# Altium PCB stencil V1.0.PcbDoc (part 4 of 5)
Units mm, origin at the board's own origin, x right, y up, seen from the top; angles counter-clockwise.
Board outline 220 x 90 mm, 2 copper layers (Top Layer, Bottom Layer); 265 components, 68 nets, 1316 pads, 556 vias.
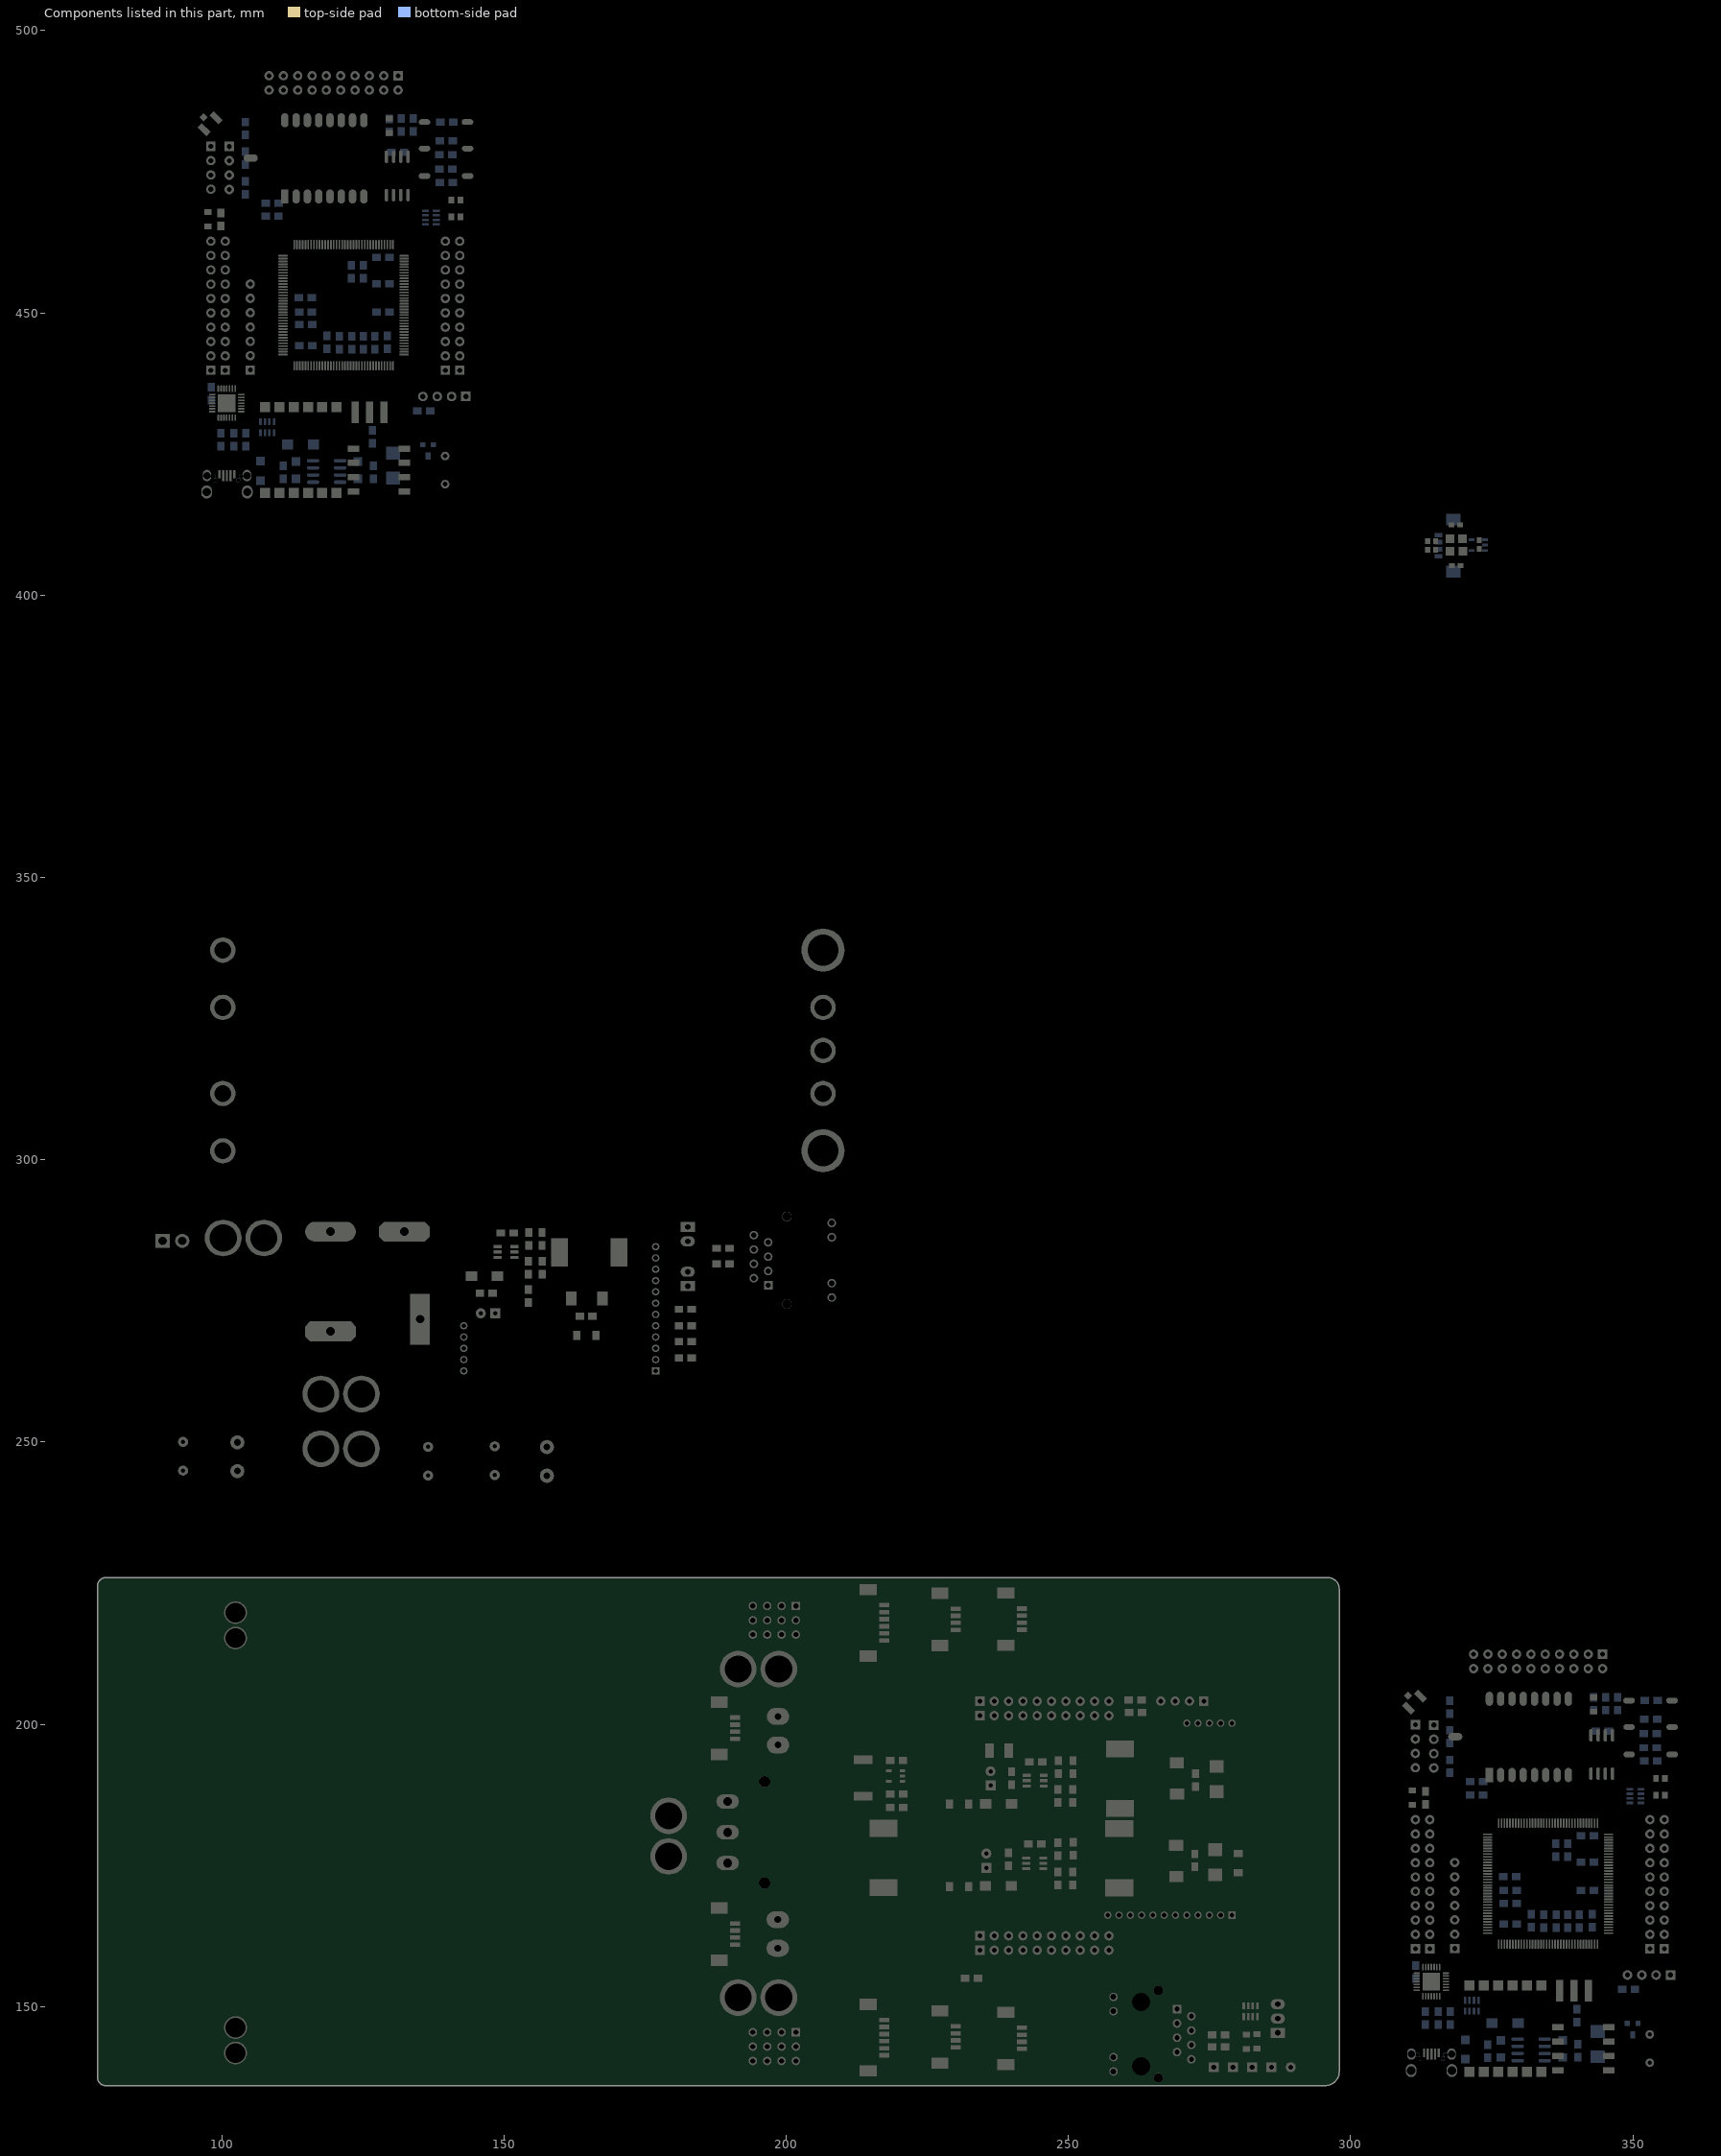
[diagram p4: the components of this part, seen from the top]

## Via types
v1: diameter 0.559, hole 0.305, Top Layer to Bottom Layer, 115 vias
v2: diameter 1.27, hole 0.711, Top Layer to Bottom Layer, 104 vias
v3: diameter 0.762, hole 0.406, Top Layer to Bottom Layer, 97 vias
v4: diameter 0.559, hole 0.356, Top Layer to Bottom Layer, 84 vias
v5: diameter 0.711, hole 0.406, Top Layer to Bottom Layer, 54 vias
v6: diameter 0.635, hole 0.406, Top Layer to Bottom Layer, 32 vias
v7: diameter 1.016, hole 0.559, Top Layer to Bottom Layer, 30 vias
v8: diameter 0.762, hole 0.381, Top Layer to Bottom Layer, 16 vias
v9: diameter 1.016, hole 0.635, Top Layer to Bottom Layer, 10 vias
v10: diameter 0.762, hole 0.457, Top Layer to Bottom Layer, 6 vias
v11: diameter 0.914, hole 0.559, Top Layer to Bottom Layer, 4 vias
v12: diameter 1.016, hole 0.457, Top Layer to Bottom Layer, 4 vias

## Nets (pads, with @x,y where several pads share a name; then routed paths per layer and width w, separated by ;. In a path a pad name is that pad's centre, name@x,y a point inside that pad or via, vN(x,y) a via of type N, cw(c..) or ccw(c..) an arc to the next point about the centre after c; other vN are vias at no path point) (continued)
copper on no net: (continued)
  Bottom Layer w0.254: v6(98.258,430.34) 98.258,430.315 103.744,435.801 v6(105.598,435.801) ; v6@98.296,429.413 99.985,431.102 100.061,431.102 103.896,434.938 v6(106.284,434.938) ; 98.652,434.57 100.899,436.817 v6(105.649,436.817) ; 99.838,429.228 99.838,428.684 101.012,429.858 101.712,429.858 v5@102.144,430.289 ; v5(100.282,424.683) 101.821,424.683 v5(101.864,424.727) v5@101.661,424.727 ; 101.381,471.871 102.271,470.981 102.271,468.694 102.906,468.059 102.906,466.362 107.427,461.841 107.427,455.461 107.732,455.156 v1(107.732,455.08) ; 101.381,474.411 102.703,473.089 102.703,468.873 103.338,468.238 103.338,466.541 107.859,462.02 107.859,456.147 108.087,455.918 v1(108.316,455.918) ; v4(104.43,466.561) 109.586,461.404 v4(109.815,461.404) ; v4@104.481,467.627 104.481,467.424 109.815,462.09 v4(110.551,462.09) ; v4(106.005,428.74) cw(c106.068,428.74) 106.068,428.803 106.876,428.803 ; v4(106.005,429.781) 105.927,429.781 106.868,430.723 106.876,430.723 ; v5(107.656,427.699) 107.656,428.782 107.676,428.803 ; v6(107.681,436.817) 120.813,436.817 123.556,434.074 130.363,434.074 130.363,433.091 ccw(c130.726,433.091) 130.726,432.728 134.638,432.728 ; 108.476,428.803 108.476,427.834 ccw(c108.891,427.834) 108.891,427.419 109.611,427.419 ccw(c109.611,427.8) 109.992,427.8 cw(c110.399,427.8) 110.399,428.207 112.456,428.207 ccw(c112.456,428.969) 113.218,428.969 113.218,431.051 cw(c113.675,431.051) 113.675,431.509 114.412,431.509 ccw(c114.412,432.474) v1(115.377,432.474) ; v1(108.595,458.788) v1(108.595,461.277) ; v1(109.256,464.046) 110.119,464.046 112.101,466.027 112.101,480.048 114.056,482.004 v1(114.056,486.728) ; 109.276,428.803 112.365,428.803 ccw(c112.365,429.122) 112.685,429.122 v1(112.685,432.448) ; v4(109.459,440.576) 118.1,440.576 ccw(c118.1,441.11) 118.634,441.11 118.634,443.688 ; v3(110.221,441.719) 110.221,444.386 113.752,447.917 ; v1(110.373,480.2) 110.704,480.531 110.704,489.233 110.942,489.472 ; v4(110.704,461.15) 110.5,461.15 109.332,459.982 v3(109.332,453.353) 109.332,450.838 109.992,450.178 113.726,450.178 ; v1(111.313,481.14) 111.313,486.677 v1(111.389,486.754) v1@111.44,486.804 ; v4(111.389,461.989) 111.389,453.81 112.532,452.667 113.695,452.667 ; v1(111.897,481.902) 112.202,482.207 112.202,490.742 113.482,492.022 ; v4(112.482,451.397) 116.038,451.397 ; v6(112.532,438.011) 113.523,438.011 114.006,438.494 118.755,438.494 120.076,439.814 132.979,439.814 137.628,444.463 137.628,445.783 139.323,447.479 139.639,447.479 ; v6(112.532,438.976) 118.627,438.976 119.948,440.297 132.725,440.297 136.916,444.488 136.916,445.91 138.263,447.257 138.263,448.374 138.694,448.806 140.981,448.806 142.189,450.014 ; v1(112.583,445.402) 112.583,445.41 113.764,444.229 ; v1(112.964,457.112) 112.532,457.544 112.532,479.616 v1@113.675,480.759 ; v1(113.396,457.798) 113.396,457.899 112.964,458.331 112.964,479.032 v1(113.802,479.87) ; v1(113.904,458.458) 113.828,458.458 113.396,458.89 113.396,478.321 114.742,479.667 114.742,490.742 116.022,492.022 ; v1(114.387,459.077) 114.387,459.093 113.828,459.652 113.828,477.813 v1(115.072,479.057) ; v1(114.539,474.257) 114.26,473.977 114.26,460.287 v1(114.844,459.703) ; v1(114.92,472.834) 114.691,472.606 114.691,461.049 v1(115.25,460.49) ; v1(116.774,464.529) 115.784,465.519 115.784,486.423 117.282,487.922 117.282,490.747 118.557,492.022 ; v1(117.155,460.414) 120,463.259 120,465.494 118.705,466.789 118.705,484.214 123.632,489.141 123.632,489.472 ; v1(117.562,459.753) 120.584,462.776 120.584,465.976 119.416,467.145 v1(119.416,474.231) ; v1(117.689,464.452) 117.689,464.833 116.673,465.849 116.673,485.204 v1(118.755,487.287) ; v1(117.993,459.093) 121.143,462.243 121.143,466.383 120.254,467.272 v1@120.254,476.365 ; v6(118.019,437.605) 119.898,437.605 v4(120.711,438.417) 121.676,439.383 123.302,439.383 124.008,438.676 v4(127.854,438.676) ; v1(118.527,458.458) 121.6,461.531 121.6,466.992 120.94,467.653 v1(120.94,475.73) ; v1(118.552,464.452) 118.552,464.91 117.435,466.027 117.435,484.696 119.797,487.058 119.797,490.721 121.097,492.022 ; v1(118.854,434.963) 121.676,434.963 122.692,433.947 v1@122.692,424.803 ; v1(118.984,457.772) 122.108,460.896 122.108,467.627 121.6,468.135 121.6,480.251 124.877,483.528 124.877,490.726 126.172,492.022 ; v1(119.416,464.452) 119.416,465.062 118.095,466.383 118.095,484.366 122.286,488.557 122.286,490.676 123.632,492.022 ; v1(119.568,457.137) 122.642,460.211 122.642,468.11 122.21,468.542 v1(122.21,474.943) ; v5(120.635,424.981) 120.635,425.565 121.803,426.733 121.803,429.426 120.991,430.239 v6(120.991,431.458) ; v5(121.626,425.514) 122.261,426.149 122.261,430.061 v5(121.854,430.467) ; v4(122.946,435.954) 124.216,434.684 133.284,434.684 135.596,436.995 ; v4(122.946,436.817) 124.623,435.141 132.878,435.141 137.596,439.859 139.639,439.859 ; v4(122.946,437.757) 125.105,435.598 132.548,435.598 138.136,441.186 140.976,441.186 142.189,442.399 ; v4(122.946,438.722) 125.613,436.055 132.268,436.055 138.612,442.399 139.639,442.399 ; v4(123.251,463.97) ccw(c123.251,463.995) 123.277,463.995 123.277,468.457 cw(c123.971,468.457) 123.971,469.151 v4(131.227,469.151) ; v1(123.378,426.53) 123.378,428.157 cw(c124.063,428.157) 124.063,428.842 126.406,428.842 ccw(c126.406,429.168) 126.733,429.168 cw(c126.609,429.168) 126.609,429.045 ; v1@124.216,466.84 129.931,461.125 v1(132.243,461.125) ; v1(124.242,479.057) 124.242,481.343 126.325,483.426 126.325,489.319 126.172,489.472 ; v4(124.854,442.149) 132.698,442.149 ccw(c132.698,443.066) 133.614,443.066 133.614,465.722 v1(133.64,465.748) ; v1(124.978,479.87) 124.978,480.785 127.391,483.198 127.391,490.691 128.722,492.022 ; v1@125.258,466.713 130.084,461.887 v1(132.7,461.887) ; v1(125.715,480.683) 125.994,480.683 128.128,482.817 128.128,488.878 128.722,489.472 ; v4(126.325,436.639) 132.065,436.639 139.101,443.675 140.925,443.675 142.189,444.939 ; v10@126.624,473.779 v10(126.68,473.723) 126.68,475.806 127.874,477 131.76,477 132.331,477.571 132.331,478.417 ; v4(126.731,466.383) 126.731,467.324 cw(c127.504,467.324) 127.504,468.097 136.114,468.097 ; v4(126.807,437.376) 132.04,437.376 139.602,444.939 139.639,444.939 ; v4(127.264,438.011) 131.963,438.011 138.186,444.234 138.186,445.58 138.796,446.19 140.9,446.19 142.189,447.479 ; v4@127.417,465.697 127.417,466.542 cw(c128.172,466.542) 128.172,467.297 136.114,467.297 ; v4(128.23,465.087) 128.23,466.103 cw(c128.623,466.103) 128.623,466.497 131.698,466.497 131.711,466.51 136.101,466.51 136.114,466.497 ; 129.394,445.949 130.15,445.949 cw(c130.15,445.406) 130.693,445.406 v4(130.693,443.447) ; v5(129.627,475.4) cw(c130.73,474.296) 130.73,475.857 131.481,475.857 ccw(c131.481,477.329) 132.521,476.288 v5(132.954,476.721) ; v1(133.665,468.796) 133.64,468.821 133.64,478.626 cw(c134.097,478.626) v4(134.097,479.083) ; v4(134.3,450) 134.326,449.974 v4(134.326,443.574) ; 135.596,437.02 136.993,438.417 140.747,438.417 142.189,439.859 ; 136.114,465.697 137.958,463.853 137.958,455.791 v4(136.459,454.292) ; 141.006,483.833 142.911,483.833 144.003,482.74 v6(144.003,470.625) v6@144.003,470.548 ; v6(311.658,150.74) 311.658,150.715 317.144,156.201 v6(318.998,156.201) ; v6@311.696,149.813 313.385,151.502 313.461,151.502 317.296,155.338 v6(319.684,155.338) ; 312.052,154.97 314.299,157.217 v6(319.049,157.217) ; 313.238,149.628 313.238,149.084 314.412,150.258 315.112,150.258 v5@315.544,150.689 ; v5(313.682,145.083) 315.221,145.083 v5(315.264,145.127) v5@315.061,145.127 ; v1(314.37,409.817) 314.37,407.345 314.814,406.901 315.576,406.901 315.576,406.647 316.685,405.538 319.604,405.538 319.638,405.504 321.164,405.504 322.815,407.155 322.815,408.552 323.13,408.867 323.831,408.867 ; 314.781,192.271 315.671,191.381 315.671,189.094 316.306,188.459 316.306,186.762 320.827,182.241 320.827,175.861 321.132,175.556 v1(321.132,175.48) ; 314.781,194.811 316.103,193.489 316.103,189.273 316.738,188.638 316.738,186.941 321.259,182.42 321.259,176.547 321.487,176.318 v1(321.716,176.318) ; 315.576,408.151 318.096,408.151 319.577,409.631 v1@320.847,410.901 ; 315.576,409.401 315.79,409.187 v1(316.338,409.187) ; v4(317.83,186.961) 322.986,181.804 v4(323.215,181.804) ; v4@317.881,188.027 317.881,187.824 323.215,182.49 v4(323.951,182.49) ; v4(319.405,149.14) cw(c319.468,149.14) 319.468,149.203 320.276,149.203 ; v4(319.405,150.181) 319.327,150.181 320.268,151.123 320.276,151.123 ; v5(321.056,148.099) 321.056,149.182 321.076,149.203 ; v6(321.081,157.217) 334.213,157.217 336.956,154.474 343.763,154.474 343.763,153.491 ccw(c344.126,153.491) 344.126,153.128 348.038,153.128 ; 321.431,407.917 322.561,409.047 v1(322.561,411.092) ; 321.876,149.203 321.876,148.234 ccw(c322.291,148.234) 322.291,147.819 323.011,147.819 ccw(c323.011,148.2) 323.392,148.2 cw(c323.799,148.2) 323.799,148.607 325.856,148.607 ccw(c325.856,149.369) 326.618,149.369 326.618,151.451 cw(c327.075,151.451) 327.075,151.909 327.812,151.909 ccw(c327.812,152.874) v1(328.777,152.874) ; v1(321.995,179.188) v1(321.995,181.677) ; v1(322.656,184.446) 323.519,184.446 325.501,186.427 325.501,200.448 327.456,202.404 v1(327.456,207.128) ; 322.676,149.203 325.765,149.203 ccw(c325.765,149.522) 326.085,149.522 v1(326.085,152.848) ; v4(322.859,160.976) 331.5,160.976 ccw(c331.5,161.51) 332.034,161.51 332.034,164.088 ; v3(323.621,162.119) 323.621,164.786 327.152,168.317 ; v1(323.773,200.6) 324.104,200.931 324.104,209.633 324.342,209.872 ; v4(324.104,181.55) 323.9,181.55 322.732,180.382 v3(322.732,173.753) 322.732,171.238 323.392,170.578 327.126,170.578 ; v1(324.713,201.54) 324.713,207.077 v1(324.789,207.154) v1@324.84,207.204 ; v4(324.789,182.389) 324.789,174.21 325.932,173.067 327.095,173.067 ; v1(325.297,202.302) 325.602,202.607 325.602,211.142 326.882,212.422 ; v4(325.882,171.797) 329.438,171.797 ; v6(325.932,158.411) 326.923,158.411 327.406,158.894 332.155,158.894 333.476,160.214 346.379,160.214 351.028,164.863 351.028,166.183 352.723,167.879 353.039,167.879 ; v6(325.932,159.376) 332.027,159.376 333.348,160.697 346.125,160.697 350.316,164.888 350.316,166.31 351.663,167.657 351.663,168.774 352.094,169.206 354.381,169.206 355.589,170.414 ; v1(325.983,165.802) 325.983,165.81 327.164,164.629 ; v1(326.364,177.512) 325.932,177.944 325.932,200.016 v1@327.075,201.159 ; v1(326.796,178.198) 326.796,178.299 326.364,178.731 326.364,199.432 v1(327.202,200.27) ; v1(327.304,178.858) 327.228,178.858 326.796,179.29 326.796,198.721 328.142,200.067 328.142,211.142 329.422,212.422 ; v1(327.787,179.477) 327.787,179.493 327.228,180.052 327.228,198.213 v1(328.472,199.457) ; v1(327.939,194.657) 327.66,194.377 327.66,180.687 v1(328.244,180.103) ; v1(328.32,193.234) 328.091,193.006 328.091,181.449 v1(328.65,180.89) ; v1(330.174,184.929) 329.184,185.919 329.184,206.823 330.682,208.322 330.682,211.147 331.957,212.422 ; v1(330.555,180.814) 333.4,183.659 333.4,185.894 332.105,187.189 332.105,204.614 337.032,209.541 337.032,209.872 ; v1(330.962,180.153) 333.984,183.176 333.984,186.376 332.816,187.545 v1(332.816,194.631) ; v1(331.089,184.852) 331.089,185.233 330.073,186.249 330.073,205.604 v1(332.155,207.687) ; v1(331.393,179.493) 334.543,182.643 334.543,186.783 333.654,187.672 v1@333.654,196.765 ; v6(331.419,158.005) 333.298,158.005 v4(334.111,158.817) 335.076,159.783 336.702,159.783 337.408,159.076 v4(341.254,159.076) ; v1(331.927,178.858) 335,181.931 335,187.392 334.34,188.053 v1(334.34,196.13) ; v1(331.952,184.852) 331.952,185.31 330.835,186.427 330.835,205.096 333.197,207.458 333.197,211.121 334.497,212.422 ; v1(332.254,155.363) 335.076,155.363 336.092,154.347 v1@336.092,145.203 ; v1(332.384,178.172) 335.508,181.296 335.508,188.027 335,188.535 335,200.651 338.277,203.928 338.277,211.126 339.572,212.422 ; v1(332.816,184.852) 332.816,185.462 331.495,186.783 331.495,204.766 335.686,208.957 335.686,211.076 337.032,212.422 ; v1(332.968,177.537) 336.042,180.611 336.042,188.51 335.61,188.942 v1(335.61,195.343) ; v5(334.035,145.381) 334.035,145.965 335.203,147.133 335.203,149.826 334.391,150.639 v6(334.391,151.858) ; v5(335.026,145.914) 335.661,146.549 335.661,150.461 v5(335.254,150.867) ; v4(336.346,156.354) 337.616,155.084 346.684,155.084 348.996,157.395 ; v4(336.346,157.217) 338.023,155.541 346.278,155.541 350.996,160.259 353.039,160.259 ; v4(336.346,158.157) 338.505,155.998 345.948,155.998 351.536,161.586 354.376,161.586 355.589,162.799 ; v4(336.346,159.122) 339.013,156.455 345.668,156.455 352.012,162.799 353.039,162.799 ; v4(336.651,184.37) ccw(c336.651,184.395) 336.677,184.395 336.677,188.857 cw(c337.371,188.857) 337.371,189.551 v4(344.627,189.551) ; v1(336.778,146.93) 336.778,148.557 cw(c337.463,148.557) 337.463,149.242 339.806,149.242 ccw(c339.806,149.568) 340.133,149.568 cw(c340.009,149.568) 340.009,149.445 ; v1@337.616,187.24 343.331,181.525 v1(345.643,181.525) ; v1(337.642,199.457) 337.642,201.743 339.725,203.826 339.725,209.719 339.572,209.872 ; v4(338.254,162.549) 346.098,162.549 ccw(c346.098,163.466) 347.014,163.466 347.014,186.122 v1(347.04,186.148) ; v1(338.378,200.27) 338.378,201.185 340.791,203.598 340.791,211.091 342.122,212.422 ; v1@338.658,187.113 343.484,182.287 v1(346.1,182.287) ; v1(339.115,201.083) 339.394,201.083 341.528,203.217 341.528,209.278 342.122,209.872 ; v4(339.725,157.039) 345.465,157.039 352.501,164.075 354.325,164.075 355.589,165.339 ; v10@340.024,194.179 v10(340.08,194.123) 340.08,196.206 341.274,197.4 345.16,197.4 345.731,197.971 345.731,198.817 ; v4(340.131,186.783) 340.131,187.724 cw(c340.904,187.724) 340.904,188.497 349.514,188.497 ; v4(340.207,157.776) 345.44,157.776 353.002,165.339 353.039,165.339 ; v4(340.664,158.411) 345.363,158.411 351.586,164.634 351.586,165.98 352.196,166.59 354.3,166.59 355.589,167.879 ; v4@340.817,186.097 340.817,186.942 cw(c341.572,186.942) 341.572,187.697 349.514,187.697 ; v4(341.63,185.487) 341.63,186.503 cw(c342.023,186.503) 342.023,186.897 345.098,186.897 345.111,186.91 349.501,186.91 349.514,186.897 ; 342.794,166.349 343.55,166.349 cw(c343.55,165.806) 344.093,165.806 v4(344.093,163.847) ; v5(343.027,195.8) cw(c344.13,194.696) 344.13,196.257 344.881,196.257 ccw(c344.881,197.729) 345.921,196.688 v5(346.354,197.121) ; v1(347.065,189.196) 347.04,189.221 347.04,199.026 cw(c347.497,199.026) v4(347.497,199.483) ; v4(347.7,170.4) 347.726,170.374 v4(347.726,163.974) ; 348.996,157.42 350.393,158.817 354.147,158.817 355.589,160.259 ; 349.514,186.097 351.358,184.253 351.358,176.191 v4(349.859,174.692) ; 354.406,204.233 356.311,204.233 357.403,203.14 v6(357.403,191.025) v6@357.403,190.948
  Bottom Layer w0.381: 102.982,454.978 103.124,455.121 ; 104.277,428.715 ccw(c104.277,428.892) 104.455,428.892 104.455,431.94 cw(c104.938,431.94) 104.938,432.423 107.285,432.423 cw(c107.285,432.032) 107.676,432.032 107.676,430.723 ; 108.402,492.022 108.687,492.022 109.662,491.046 v3(109.662,486.169) ; 108.476,430.723 109.664,430.723 ccw(c109.664,431.229) 110.17,431.229 v5(110.17,432.601) ; 138.034,466.497 v5(139.291,466.497) ; 138.034,467.297 141.717,467.297 ccw(c141.717,467.881) v5(142.301,467.881) ; 138.034,468.097 140.993,468.097 ccw(c140.993,468.77) 141.666,468.77 v5(141.692,468.77) ; 316.382,175.378 316.524,175.521 ; 317.677,149.115 ccw(c317.677,149.292) 317.855,149.292 317.855,152.34 cw(c318.338,152.34) 318.338,152.823 320.685,152.823 cw(c320.685,152.432) 321.076,152.432 321.076,151.123 ; 321.802,212.422 322.087,212.422 323.062,211.446 v3(323.062,206.569) ; 321.876,151.123 323.064,151.123 ccw(c323.064,151.629) 323.57,151.629 v5(323.57,153.001) ; 351.434,186.897 v5(352.691,186.897) ; 351.434,187.697 355.117,187.697 ccw(c355.117,188.281) v5(355.701,188.281) ; 351.434,188.497 354.393,188.497 ccw(c354.393,189.17) 355.066,189.17 v5(355.092,189.17)
  Bottom Layer w0.508: 98.088,471.91 98.172,471.91 99.68,473.419 99.68,476.111 100.52,476.951 101.381,476.951 ; 98.09,439.859 98.09,436.916 98.151,436.856 ; 103.124,455.121 105.065,455.121 ; v3@104.176,471.006 ccw(c104.227,471.006) 104.227,470.955 105.725,470.955 ccw(c105.725,471.336) 106.106,471.336 106.106,483.248 ccw(c105.547,483.248) 105.547,483.807 104.201,483.807 ; 104.277,428.715 104.582,428.715 v7(107.605,425.692) ; 106.843,485.407 106.843,479.591 ccw(c107.732,479.591) 107.732,478.702 109.964,478.702 ; 110.069,467.119 110.069,478.597 109.964,478.702 ; 110.879,422.884 108.926,420.93 108.926,417.918 ccw(c109.459,417.918) 109.459,417.385 v11(141.725,417.386) ; v6@112.177,454.673 114.539,454.673 115.981,453.232 115.981,452.667 ; 112.948,423.654 112.948,424.092 ; v9(113.193,483.274) 113.193,481.93 109.964,478.702 ; 113.726,450.178 cw(c113.726,450.152) 113.752,450.152 113.752,449.822 ; 116.05,444.229 116.05,443.561 v4(116.977,442.634) ; 118.634,445.974 120.864,443.744 120.864,443.595 123.064,443.595 ; 122.946,458.534 124.724,458.534 ; v10(128.103,478.676) 129.786,478.676 130.045,478.417 ; 129.723,455.154 129.728,455.148 ; 133.945,484.417 cw(c133.97,484.417) 133.97,484.442 135.062,484.442 ccw(c135.062,484.798) 135.418,484.798 ; v6(135.19,476.721) ccw(c135.19,476.949) 135.418,476.949 135.418,482.207 ; v4(135.418,485.611) 135.418,484.798 ; 135.633,426.661 135.633,427.774 cw(c136.955,427.774) 136.955,429.096 143.292,429.096 ccw(c143.292,430.409) 144.605,430.409 144.605,464.681 ccw(c143.589,464.681) 143.589,465.697 138.034,465.697 ; 137.538,426.661 v9@139.609,426.661 ; 140.918,480.478 140.918,480.836 ; 140.967,480.429 ccw(c139.265,480.429) 140.918,480.836 ; 311.488,192.31 311.572,192.31 313.08,193.819 313.08,196.511 313.92,197.351 314.781,197.351 ; 311.49,160.259 311.49,157.316 311.551,157.256 ; v1(313.036,408.044) 313.036,409.441 313.633,410.038 313.633,410.122 314.162,410.651 315.576,410.651 316.779,411.854 322.942,411.854 323.831,410.965 323.831,409.817 ; 316.524,175.521 318.465,175.521 ; v3@317.576,191.406 ccw(c317.627,191.406) 317.627,191.355 319.125,191.355 ccw(c319.125,191.736) 319.506,191.736 319.506,203.648 ccw(c318.947,203.648) 318.947,204.207 317.601,204.207 ; v1(317.608,406.393) 318.007,406.393 321.431,409.817 ; 317.677,149.115 317.982,149.115 v7(321.005,146.092) ; 320.243,205.807 320.243,199.991 ccw(c321.132,199.991) 321.132,199.102 323.364,199.102 ; 323.469,187.519 323.469,198.997 323.364,199.102 ; v1(323.856,407.282) 323.856,407.917 ; 324.279,143.284 322.326,141.33 322.326,138.318 ccw(c322.859,138.318) 322.859,137.785 v11@355.125,137.785 ; v6@325.577,175.073 327.939,175.073 329.381,173.632 329.381,173.067 ; 326.348,144.054 326.348,144.492 ; v9(326.593,203.674) 326.593,202.33 323.364,199.102 ; 327.126,170.578 cw(c327.126,170.552) 327.152,170.552 327.152,170.222 ; 329.45,164.629 329.45,163.961 v4(330.377,163.034) ; 332.034,166.374 334.264,164.144 334.264,163.995 336.464,163.995 ; 336.346,178.934 338.124,178.934 ; v10(341.503,199.076) 343.186,199.076 343.445,198.817 ; 343.123,175.554 343.128,175.548 ; 347.345,204.817 cw(c347.37,204.817) 347.37,204.842 348.462,204.842 ccw(c348.462,205.198) 348.818,205.198 ; v6(348.59,197.121) ccw(c348.59,197.349) 348.818,197.349 348.818,202.607 ; v4(348.818,206.011) 348.818,205.198 ; 349.033,147.061 349.033,148.174 cw(c350.355,148.174) 350.355,149.496 356.692,149.496 ccw(c356.692,150.809) 358.005,150.809 358.005,185.081 ccw(c356.989,185.081) 356.989,186.097 351.434,186.097 ; 350.938,147.061 v9@353.009,147.061 ; 354.318,200.878 354.318,201.236 ; 354.367,200.829 ccw(c352.665,200.829) 354.318,201.236 ; 135.418,482.207 cw(c135.469,482.207) 135.469,482.258 140.015,482.258 cw(c140.015,481.355) 140.918,481.355 140.918,480.836 ; 135.418,482.207 135.418,484.798 ; 348.818,202.607 cw(c348.869,202.607) 348.869,202.658 353.415,202.658 cw(c353.415,201.755) 354.318,201.755 354.318,201.236 ; 348.818,202.607 348.818,205.198
  Bottom Layer w0.635: v7(101.966,464.656) 102.982,463.64 102.982,454.978 102.982,441.973 ; v7(315.366,185.056) 316.382,184.04 316.382,175.378 316.382,162.373
  Bottom Layer w0.762: v7(97.546,426.429) 104.277,426.429 ; 98.088,471.91 98.088,468.567 ccw(c99.155,468.567) 98.271,467.97 ccw(c99.155,468.567) 98.557,467.683 ccw(c99.155,468.567) 99.155,467.5 v7(101.966,467.5) ; 98.09,444.939 96.892,444.939 cw(c96.892,445.758) 96.073,445.758 96.073,466.256 ; 100.64,444.939 100.64,442.399 102.557,442.399 102.982,441.973 105.065,439.891 105.097,439.859 105.112,439.859 105.142,439.889 ; 101.381,479.491 101.341,479.53 98.088,479.53 96.534,479.53 96.382,479.377 ccw(c96.81,478.778) 96.073,478.778 ; 102.432,428.684 104.247,428.684 ccw(c104.247,428.715) 104.277,428.715 ; v9(102.626,483.706) 104.1,483.706 ccw(c104.1,483.807) 104.201,483.807 ; v3(102.906,481.572) 104.079,481.572 cw(c104.079,481.399) 104.201,481.521 104.201,478.561 ; 104.176,473.292 104.176,476.214 cw(c104.263,476.214) 104.201,476.275 ; 105.065,442.431 ccw(c105.116,442.431) 105.116,442.38 106.741,442.38 ; v5(110.17,432.601) 110.17,435.369 ; 113.752,449.822 113.752,447.917 ; 115.961,447.993 ccw(c116.038,447.993) 116.038,447.917 116.038,450.178 ; 116.012,450.178 116.038,450.178 ; 116.038,452.26 116.038,451.397 116.038,450.178 ; 117.334,418.656 ccw(c117.334,420.306) 118.984,420.306 118.984,421.109 ; 119.173,421.298 ccw(c119.173,421.109) 118.984,421.109 ; 120.864,445.881 123.064,445.881 125.114,445.881 127.164,445.881 127.437,446.154 127.437,450.152 ; 121.003,423.838 ccw(c121.359,423.838) 121.359,423.482 124.318,423.482 ; v3(121.575,448.806) cw(c120.737,448.806) 120.737,447.968 119.416,447.968 ccw(c119.416,447.186) 118.634,447.186 118.634,445.974 114.476,445.974 cw(c114.476,446.698) 113.752,446.698 113.752,447.917 ; v3@121.6,451.422 cw(c121.6,451.448) v3(121.575,451.448) 121.575,457.591 cw(c122.442,457.591) 122.442,458.458 124.648,458.458 124.724,458.534 ; 122.946,456.172 125.08,456.172 126.418,456.172 127.437,455.154 127.437,450.152 ; 125.08,458.458 128.407,458.458 cw(c128.407,457.471) 129.394,457.471 129.394,445.949 ; 125.114,443.595 127.164,443.595 129.326,443.595 129.394,443.663 ; v3(126.045,459.88) 127.442,459.88 ; v5(128.484,475.949) 128.484,474.104 ccw(c129.271,474.104) 128.534,473.827 ccw(c129.271,474.104) 129.271,473.317 131.1,473.317 cw(c131.1,472.682) 131.735,472.682 v5@131.735,471.971 ; v10(129.246,486.017) 129.708,485.555 129.708,484.378 ; 129.403,482.27 129.83,481.844 129.779,481.793 v5(129.779,480.073) ; 129.708,482.092 133.906,482.092 ccw(c133.906,482.131) 133.945,482.131 ; v9(130.49,486.627) 131.862,486.627 131.938,486.703 ccw(c131.938,487.77) 133.005,487.77 133.005,491.961 ; 131.262,492.022 132.944,492.022 133.005,491.961 ; 131.811,484.417 133.945,484.417 ; 136.598,424.629 139.569,424.629 ccw(c139.569,424.669) 139.609,424.669 ; 138.563,475.459 138.632,475.391 138.632,473.102 ; 138.563,477.994 138.563,480.41 138.632,480.478 ; 140.849,475.459 140.849,477.994 ; 140.918,473.102 142.072,474.257 v5(142.936,474.257) ; 140.967,480.429 v5(141.971,480.429) ; 176.906,262.608 180.098,265.8 180.098,280.155 ; 176.906,268.608 175.746,268.608 cw(c175.746,269.335) 175.018,269.335 175.018,286.183 cw(c176.928,286.183) 176.928,288.093 182.583,288.093 ; 176.906,284.608 180.098,281.415 180.098,280.155 ; 182.583,277.628 182.583,274.572 186.753,270.402 v2(186.753,267.709) ; 182.583,285.553 ccw(c183.434,285.553) 183.434,284.702 187.952,284.702 cw(c187.952,283.285) 189.369,283.285 189.369,274.691 cw(c188.209,274.691) 188.209,273.531 v2(186.784,273.531) ; v2(187.591,282.924) 187.591,281.33 cw(c186.43,281.33) 186.43,280.168 182.583,280.168 180.111,280.168 180.098,280.155 ; v2(187.667,285.972) cw(c188.345,285.972) 188.345,286.65 194.295,286.65 ; 200.137,274.46 200.137,282.111 ; 200.137,289.96 200.137,282.111 ; 208.085,286.274 203.923,282.111 200.137,282.111 ; v7(310.946,146.829) 317.677,146.829 ; 311.488,192.31 311.488,188.967 ccw(c312.555,188.967) 311.671,188.37 ccw(c312.555,188.967) 311.957,188.083 ccw(c312.555,188.967) 312.555,187.9 v7(315.366,187.9) ; 311.49,165.339 310.292,165.339 cw(c310.292,166.158) 309.473,166.158 309.473,186.656 ; 314.04,165.339 314.04,162.799 315.957,162.799 316.382,162.373 318.465,160.291 318.497,160.259 318.512,160.259 318.542,160.289 ; 314.781,199.891 314.741,199.93 311.488,199.93 309.934,199.93 309.782,199.777 ccw(c310.21,199.178) 309.473,199.178 ; 315.832,149.084 317.647,149.084 ccw(c317.647,149.115) 317.677,149.115 ; v9(316.026,204.106) 317.5,204.106 ccw(c317.5,204.207) 317.601,204.207 ; v3(316.306,201.972) 317.479,201.972 cw(c317.479,201.799) 317.601,201.921 317.601,198.961 ; 317.576,193.692 317.576,196.614 cw(c317.663,196.614) 317.601,196.675 ; 318.465,162.831 ccw(c318.516,162.831) 318.516,162.78 320.141,162.78 ; v5(323.57,153.001) 323.57,155.769 ; 327.152,170.222 327.152,168.317 ; 329.361,168.393 ccw(c329.438,168.393) 329.438,168.317 329.438,170.578 ; 329.412,170.578 329.438,170.578 ; 329.438,172.66 329.438,171.797 329.438,170.578 ; 330.734,139.056 ccw(c330.734,140.706) 332.384,140.706 332.384,141.509 ; 332.573,141.698 ccw(c332.573,141.509) 332.384,141.509 ; 334.264,166.281 336.464,166.281 338.514,166.281 340.564,166.281 340.837,166.554 340.837,170.552 ; 334.403,144.238 ccw(c334.759,144.238) 334.759,143.882 337.718,143.882 ; v3(334.975,169.206) cw(c334.137,169.206) 334.137,168.368 332.816,168.368 ccw(c332.816,167.586) 332.034,167.586 332.034,166.374 327.876,166.374 cw(c327.876,167.098) 327.152,167.098 327.152,168.317 ; v3@335,171.822 cw(c335,171.848) v3(334.975,171.848) 334.975,177.991 cw(c335.842,177.991) 335.842,178.858 338.048,178.858 338.124,178.934 ; 336.346,176.572 338.48,176.572 339.818,176.572 340.837,175.554 340.837,170.552 ; 338.48,178.858 341.807,178.858 cw(c341.807,177.871) 342.794,177.871 342.794,166.349 ; 338.514,163.995 340.564,163.995 342.726,163.995 342.794,164.063 ; v3(339.445,180.28) 340.842,180.28 ; v5(341.884,196.349) 341.884,194.504 ccw(c342.671,194.504) 341.934,194.227 ccw(c342.671,194.504) 342.671,193.717 344.5,193.717 cw(c344.5,193.082) 345.135,193.082 v5@345.135,192.371 ; v10(342.646,206.417) 343.108,205.955 343.108,204.778 ; 342.803,202.67 343.23,202.244 343.179,202.193 v5(343.179,200.473) ; 343.108,202.492 347.306,202.492 ccw(c347.306,202.531) 347.345,202.531 ; v9(343.89,207.027) 345.262,207.027 345.338,207.103 ccw(c345.338,208.17) 346.405,208.17 346.405,212.361 ; 344.662,212.422 346.344,212.422 346.405,212.361 ; 345.211,204.817 347.345,204.817 ; 349.998,145.029 352.969,145.029 ccw(c352.969,145.069) 353.009,145.069 ; 351.963,195.859 352.032,195.791 352.032,193.502 ; 351.963,198.394 351.963,200.81 352.032,200.878 ; 354.249,195.859 354.249,198.394 ; 354.318,193.502 355.472,194.657 v5(356.336,194.657) ; 354.367,200.829 v5(355.371,200.829) ; 96.073,466.256 ccw(c96.251,466.256) 96.251,466.078 102.22,466.078 106.741,461.557 106.741,447.866 ; 96.073,466.256 96.073,478.778 ; 96.073,478.778 96.073,484.061 cw(c97.394,484.061) 97.394,485.382 106.817,485.382 106.843,485.407 106.843,493.739 cw(c107.579,493.739) 107.579,494.475 132.319,494.475 cw(c132.319,493.789) 133.005,493.789 133.005,491.961 ; 106.741,442.38 106.741,436.69 ccw(c108.062,436.69) 108.062,435.369 110.17,435.369 ; 106.741,442.38 106.741,447.866 ; 106.741,447.866 cw(c106.792,447.866) 106.792,447.917 v3(112.38,447.917) 113.752,447.917 ; 110.17,435.369 114.133,435.369 cw(c114.133,433.109) 116.393,433.109 116.393,430.467 ccw(c117.739,430.467) 117.739,429.121 cw(c117.739,427.876) 118.984,427.876 118.984,421.109 ; 116.038,450.178 127.411,450.178 127.437,450.152 ; 309.473,186.656 ccw(c309.651,186.656) 309.651,186.478 315.62,186.478 320.141,181.957 320.141,168.266 ; 309.473,186.656 309.473,199.178 ; 309.473,199.178 309.473,204.461 cw(c310.794,204.461) 310.794,205.782 320.217,205.782 320.243,205.807 320.243,214.139 cw(c320.979,214.139) 320.979,214.875 345.719,214.875 cw(c345.719,214.189) 346.405,214.189 346.405,212.361 ; 320.141,162.78 320.141,168.266 ; 320.141,162.78 320.141,157.09 ccw(c321.462,157.09) 321.462,155.769 323.57,155.769 ; 320.141,168.266 cw(c320.192,168.266) 320.192,168.317 v3(325.78,168.317) 327.152,168.317 ; 323.57,155.769 327.533,155.769 cw(c327.533,153.509) 329.793,153.509 329.793,150.867 ccw(c331.139,150.867) 331.139,149.521 cw(c331.139,148.276) 332.384,148.276 332.384,141.509 ; 329.438,170.578 340.811,170.578 340.837,170.552
  Bottom Layer w1.016: v5(97.572,423.228) v5(98.258,423.228) v5(98.969,423.228) 106.765,423.228 ; 106.914,420.305 108.57,421.961 108.57,424.969 108.799,425.198 108.799,425.208 110.274,426.683 111.669,426.683 ; v12(110.094,418.656) 117.104,418.656 ; 111.669,420.598 112.948,420.598 ; 112.948,420.606 116.831,420.606 ; 119.173,421.298 121.003,421.298 ; 120.203,421.755 121.003,421.755 ; 124.164,420.606 130.273,420.606 ccw(c130.273,420.739) 130.405,420.739 cw(c130.02,420.739) 130.02,420.353 ; 124.318,423.482 126.909,423.482 cw(c126.909,423.658) 126.733,423.658 126.733,426.882 ; 126.864,422.913 130.405,422.913 ; 130.405,425.184 130.405,422.913 ; 136.98,432.672 ccw(c137.99,432.672) 137.99,431.661 v8(138.186,431.661) 140.744,431.661 ccw(c140.744,434.201) 143.284,434.201 143.284,435.203 ; 139.609,419.669 139.609,420.373 ccw(c137.069,420.373) 137.069,422.913 130.405,422.913 ; v5(310.972,143.628) v5(311.658,143.628) v5(312.369,143.628) 320.165,143.628 ; 320.314,140.705 321.97,142.361 321.97,145.369 322.199,145.598 322.199,145.608 323.674,147.083 325.069,147.083 ; v12(323.494,139.056) 330.504,139.056 ; 325.069,140.998 326.348,140.998 ; 326.348,141.006 330.231,141.006 ; 332.573,141.698 334.403,141.698 ; 333.603,142.155 334.403,142.155 ; 337.564,141.006 343.673,141.006 ccw(c343.673,141.139) 343.805,141.139 cw(c343.42,141.139) 343.42,140.753 ; 337.718,143.882 340.309,143.882 cw(c340.309,144.058) 340.133,144.058 340.133,147.282 ; 340.264,143.313 343.805,143.313 ; 343.805,145.584 343.805,143.313 ; 350.38,153.072 ccw(c351.39,153.072) 351.39,152.061 v8(351.586,152.061) 354.144,152.061 ccw(c354.144,154.601) 356.684,154.601 356.684,155.603 ; 353.009,140.069 353.009,140.773 ccw(c350.469,140.773) 350.469,143.313 343.805,143.313
  Bottom Layer w1.27: 93.035,285.647 93.035,282.933 ccw(c94.416,282.933) 94.416,281.552 122.593,281.552 ccw(c122.593,284.092) 125.133,284.092 125.133,290.925 cw(c127.673,290.925) 127.673,293.465 140.398,293.465 cw(c140.398,290.925) 142.938,290.925 142.938,273.272 147.18,269.03 v2(161.81,269.03) ; 145.91,272.815 145.91,287.035 cw(c147.82,287.035) 147.82,288.946 v2(154.388,288.946) ; 148.45,272.815 cw(c148.45,273.207) 148.058,273.207 148.058,285.846 cw(c149.358,285.846) 149.358,287.146 v2(158.325,287.146)
  Bottom Layer w5.588: 117.57,258.516 117.57,267.896
  Bottom Layer w6.35: 107.485,286.146 107.485,334.686 cw(c110.025,334.686) 110.025,337.226 205.758,337.226 ; 117.57,248.814 113.331,248.814 cw(c113.331,253.287) 108.858,253.287 108.858,270.831 cw(c114.346,270.831) 114.346,276.319 127.418,276.319 ccw(c127.418,278.859) 129.958,278.859 129.958,285.146
  Bottom Layer w7.62: 117.001,301.666 205.758,301.666
  other v1: 338.759,187.062 337.743,187.265 327.075,201.108 125.359,466.662 124.343,466.865 113.675,480.708
  other v2: 115.227,300.247 117.386,300.272 113.118,300.374 115.227,302.163 117.386,302.183 113.118,302.284 115.227,304.079 117.386,304.093 113.118,304.195 115.227,305.996 117.386,306.004 113.118,306.106 115.227,307.912 117.386,307.915 113.118,308.016 115.227,309.828 117.386,309.825 113.118,309.927 115.227,311.745 117.386,311.736 113.118,311.838 117.386,313.647 115.227,313.661 113.118,313.748 115.227,315.577 117.386,315.557 113.118,315.659 117.386,317.468 115.227,317.493 113.118,317.57 117.335,319.286 113.144,319.311 115.227,319.325 117.335,321.127 113.144,321.152 115.227,321.168 117.335,322.968 113.144,322.993 115.227,323.012 117.335,324.809 113.144,324.835 115.227,324.855 117.335,326.65 113.144,326.676 115.227,326.699 117.335,328.492 113.144,328.517 115.227,328.542
  other v3: 342.036,163.796 128.636,443.396
  other v4: 338.912,139.031 340.918,139.031 342.925,139.031 343.738,154.499 317.881,187.926 125.512,418.631 127.518,418.631 129.525,418.631 130.338,434.099 104.481,467.526
  other v5: 339.623,152.747 331.241,153.001 345.135,192.168 126.223,432.347 117.841,432.601 131.735,471.768
  other v6: 325.755,175.073 112.355,454.673
  other v7: 338.836,140.961 318.338,147.032 338.912,168.876 337.185,168.927 339.013,171.365 337.185,171.39 338.988,173.702 337.261,173.778 125.436,420.561 104.938,426.632 125.512,448.476 123.785,448.527 125.613,450.965 123.785,450.99 125.588,453.302 123.861,453.378
  other v8: 313.791,154.423 100.391,434.023
  other v9: 317.601,197.248 104.201,476.848
  other v12: 344.805,141.317 131.405,420.917

## Polygon pours and split planes (outlines as drawn)
no net on Top Layer "Top Layer-No Net" (solid, remove dead copper, pour order 26): 324.84,131.538 ccw(c324.561,131.538) 324.561,131.817 307.263,131.817 306.882,131.817 cw(c306.882,134.357) 304.342,134.357 304.342,156.658 304.342,217.847 cw(c306.882,217.847) 306.882,220.387 334.949,220.387 360.908,220.387 cw(c360.908,217.847) 363.448,217.847 363.448,209.821 363.448,134.433 cw(c360.908,134.433) 360.908,131.893 346.151,131.893
no net on Top Layer "Top Layer-No Net" (hatched 90Degree grid 0.762 track 0.254, remove dead copper, pour order 22): 103.466,233.318 81.419,233.318 cw(c81.419,235.858) 78.879,235.858 78.879,250.641 78.879,351.326 cw(c81.419,351.326) 81.419,353.866 111.798,353.866 217.614,353.866 cw(c217.614,351.326) 220.154,351.326 220.154,335.908 220.154,235.426 cw(c217.614,235.426) 217.614,232.886 204.33,232.886
no net on Top Layer "Top Layer-GND" (hatched Horizontal grid 0.508 track 0.203, pour order 18): 321.545,412.743
no net on Top Layer "Top Layer-No Net" (solid, remove dead copper, pour order 16): 312.325,415.718 324.542,415.718 cw(c324.542,413.178) 327.082,413.178 327.082,409.19 327.082,403.5 cw(c324.542,403.5) 324.542,400.96 324.187,400.96 313.823,400.96 cw(c313.823,403.5) 311.283,403.5 311.283,404.313 311.283,414.651 cw(c312.325,414.651) 312.325,415.692
no net on Top Layer "Top Layer-No Net" (solid, remove dead copper, pour order 14): 111.44,411.138 ccw(c111.161,411.138) 111.161,411.417 93.863,411.417 93.482,411.417 cw(c93.482,413.957) 90.942,413.957 90.942,436.258 90.942,497.447 cw(c93.482,497.447) 93.482,499.987 121.549,499.987 147.508,499.987 cw(c147.508,497.447) 150.048,497.447 150.048,489.421 150.048,414.033 cw(c147.508,414.033) 147.508,411.493 132.751,411.493
GND on Top Layer "Top Layer-No Net" (hatched 90Degree grid 0.508 track 0.254, remove dead copper, pour order 8): 170.1,219.4 170.1,226.2 cw(c172.6,226.2) 172.6,228.7 299.26,228.7 cw(c299.26,226.16) 301.8,226.16 301.8,215.2 301.8,134.84 cw(c299.26,134.84) 299.26,132.3 288,132.3 172.54,132.3 cw(c172.54,134.84) 170,134.84 170,139.4
no net on Bottom Layer "Top Layer-No Net" (solid, remove dead copper, pour order 28): 320.751,131.309 ccw(c320.7,131.309) 320.7,131.36 308.914,131.36 308,131.36 cw(c308,133.9) 305.46,133.9 305.46,141.241 305.46,215.561 cw(c308,215.561) 308,218.101 331.139,218.101 358.825,218.101 cw(c358.825,215.561) 361.365,215.561 361.365,209.135 361.365,133.773 cw(c358.825,133.773) 358.825,131.233 352.907,131.233
no net on Bottom Layer "Top Layer-No Net" (hatched 90Degree grid 0.762 track 0.254, remove dead copper, pour order 24): 104.94,231.387 79.286,231.387 cw(c79.286,233.927) 76.746,233.927 76.746,241.649 76.746,352.825 cw(c79.286,352.825) 79.286,355.365 114.363,355.365 217.385,355.365 cw(c217.385,352.825) 219.925,352.825 219.925,332.073 219.925,233.927 cw(c217.385,233.927) 217.385,231.387 208.394,231.387
no net on Bottom Layer "Top Layer-No Net" (solid, remove dead copper, pour order 20): 311.36,409.85 311.36,413.584 cw(c313.493,413.584) 313.493,415.718 323.755,415.718 cw(c323.755,413.178) 326.295,413.178 326.295,410.46 326.295,403.729 cw(c323.755,403.729) 323.755,401.189 322.993,401.189 313.874,401.189 cw(c313.874,403.729) 311.334,403.729 311.334,405.583
no net on Bottom Layer "Top Layer-No Net" (solid, remove dead copper, pour order 12): 107.351,410.909 ccw(c107.3,410.909) 107.3,410.96 95.514,410.96 94.6,410.96 cw(c94.6,413.5) 92.06,413.5 92.06,420.841 92.06,495.161 cw(c94.6,495.161) 94.6,497.701 117.739,497.701 145.425,497.701 cw(c145.425,495.161) 147.965,495.161 147.965,488.735 147.965,413.373 cw(c145.425,413.373) 145.425,410.833 139.507,410.833
GND on Bottom Layer "Top Layer-No Net" (hatched 90Degree grid 0.508 track 0.254, remove dead copper, pour order 10): 170.1,218.4 170.1,226.5 cw(c171.8,226.5) 171.8,228.2 300.06,228.2 cw(c300.06,225.66) 302.6,225.66 302.6,209.4 302.6,133.24 cw(c300.06,133.24) 300.06,130.7 290.6,130.7 172.44,130.7 cw(c172.44,133.24) 169.9,133.24 169.9,142.8
no net on Bottom Solder (solid): 325.264,176.145
no net on Bottom Solder (solid): 111.864,455.745
no net on Mechanical 1 (solid): 314.56,412.743

## Keep-outs
Keep-Out Layer:
  circle w0.254: c318.878,408.654 r6.5
  circle w0.254: c295,158 r1.5
  circle w0.254: c295,204 r1.5
  circle w0.254: c81,204 r1.5
  circle w0.254: c81,158 r1.5
  circle w0.254: c207.275,207.55 r1.5
  circle w0.254: c207.375,156.125 r1.5
  lines w0.254: 127.9,176.5 cw(c127.9,175.2) 129.2,175.2 129.2,142.79 cw(c127.91,142.79) 127.91,141.5 121.766,141.5 cw(c121.766,143.066) 120.2,143.066 120.2,175.489 cw(c121.211,175.489) 121.211,176.5 128,176.5 ; 129.2,219.4 ccw(c127.9,219.4) 127.9,220.7 121.291,220.7 ccw(c121.291,219.609) 120.2,219.609 120.2,187.892 ccw(c121.392,187.892) 121.392,186.7 127.91,186.7 ccw(c127.91,187.99) 129.2,187.99 129.2,219.5 ; 145.868,137.452 cw(c147.516,137.452) 147.516,139.1 154.92,139.1 cw(c154.92,137.452) 156.568,137.452 ; 146.86,224.549 ccw(c148.508,224.549) 148.508,222.901 155.912,222.901 ccw(c155.912,224.549) 157.56,224.549 ; 147.244,198.001 ccw(c147.26,199.178) 148.438,199.161 cw(c149.39,199.022) 149.53,199.974 153.543,199.974 cw(c153.632,199.098) 154.508,199.187 ccw(c155.673,199.165) 155.651,198.001 147.447,198.001 ; 147.726,168.003 ccw(c147.743,169.181) 148.92,169.164 cw(c149.873,169.024) 150.012,169.977 154.026,169.977 cw(c154.114,169.1) 154.991,169.189 ccw(c156.155,169.168) 156.134,168.003 147.93,168.003 ; 155.55,193.997 147.345,193.997 cw(c147.324,192.833) 148.488,192.811 ccw(c149.365,192.9) 149.454,192.024 153.467,192.024 ccw(c153.606,192.976) 154.559,192.837 cw(c155.736,192.82) 155.753,193.997 ; 156.007,164 147.803,164 cw(c147.781,162.836) 148.946,162.814 ccw(c149.822,162.903) 149.911,162.027 153.924,162.027 ccw(c154.064,162.979) 155.016,162.839 cw(c156.193,162.823) 156.21,164 ; 172.318,156.234 cw(c173.157,156.234) 173.157,157.072 180.828,157.072 cw(c180.828,156.147) 181.753,156.147 ; 172.318,156.259 172.318,139.367 ccw(c173.192,139.367) 173.192,138.494 180.813,138.494 ccw(c180.813,139.434) 181.753,139.434 181.753,156.259 ; 172.49,206.326 172.49,223.151 cw(c173.43,223.151) 173.43,224.091 181.051,224.091 cw(c181.051,223.218) 181.925,223.218 181.925,206.326 ; 172.49,206.438 ccw(c173.415,206.438) 173.415,205.513 181.086,205.513 ccw(c181.086,206.351) 181.925,206.351 ; 78,137.5 ccw(c79.5,137.5) 79.5,136 295.5,136 ccw(c295.5,138.5) 298,138.5 298,224 ccw(c296,224) 296,226 79.5,226 ccw(c79.5,224.5) 78,224.5 78,137.5 ; 84.01,240.894 ccw(c85.058,240.894) 85.058,239.846 213.058,239.846 ccw(c213.058,240.846) 214.058,240.846 214.058,347.846 ccw(c213.058,347.846) 213.058,348.846 85.058,348.846 ccw(c85.058,347.798) 84.01,347.798 84.01,240.894 ; 95.164,418.354 ccw(c97.164,418.354) 97.164,416.354 143.164,416.354 ccw(c143.164,418.354) 145.164,418.354 145.164,484.354 ccw(c143.164,484.354) 143.164,486.354 134.878,486.354 cw(c134.878,487.541) 133.691,487.541 133.691,494.264 ccw(c132.54,494.264) 132.54,495.415 107.387,495.415 ccw(c107.387,494.185) 106.157,494.185 106.157,487.199 cw(c105.312,487.199) 105.312,486.354 97.164,486.354 ccw(c97.164,484.354) 95.164,484.354 95.164,418.354 ; 140.968,164.5 ccw(c141.468,164.5) 141.468,164 162.185,164 ccw(c162.185,164.783) 162.968,164.783 162.968,167.154 ccw(c162.122,167.154) 162.122,168 141.668,168 ccw(c141.668,167.3) 140.968,167.3 140.968,164.5 ; 140.968,194.5 ccw(c141.468,194.5) 141.468,194 162.185,194 ccw(c162.185,194.783) 162.968,194.783 162.968,197.154 ccw(c162.122,197.154) 162.122,198 141.668,198 ccw(c141.668,197.3) 140.968,197.3 140.968,194.5 ; 308.564,138.754 ccw(c310.564,138.754) 310.564,136.754 356.564,136.754 ccw(c356.564,138.754) 358.564,138.754 358.564,204.754 ccw(c356.564,204.754) 356.564,206.754 348.278,206.754 cw(c348.278,207.941) 347.091,207.941 347.091,214.664 ccw(c345.94,214.664) 345.94,215.815 320.787,215.815 ccw(c320.787,214.585) 319.557,214.585 319.557,207.599 cw(c318.712,207.599) 318.712,206.754 310.564,206.754 ccw(c310.564,204.754) 308.564,204.754 308.564,138.754

## Other copper
Top Layer:
  region: 344.22,197.019 344.22,200.778 342.188,200.778 342.188,197.019
  region: 118.605,298.697 118.605,329.406 112.052,329.406 112.052,298.697
  region: 124.058,284.046 124.058,290.046 114.658,290.046 114.658,284.046
  region: 159.558,248.146 159.558,251.846 134.758,251.846 134.758,248.146
  region: 120.258,255.746 120.258,271.246 110.058,271.246 110.058,255.746
  region: 157.258,281.346 157.258,283.046 151.158,283.046 151.158,281.346
  region: 149.558,272.002 149.558,282.846 147.458,282.846 147.458,272.002
  region: 130.82,476.619 130.82,480.378 128.788,480.378 128.788,476.619
  rectangle net 5.0V: 284.353,144.424 288.544,148.946
  rectangle net 5.0V: 263.119,190.729 268.148,194.031
  rectangle net NetC7_1: 238.911,170.536 243.153,174.371
  rectangle net NetR9_1: 244.855,173.203 251.332,174.676
  rectangle net GND: 235.279,176.073 243.077,177.165
  rectangle net 12.0V: 267.716,176.378 280.924,178.918
  rectangle net GND: 267.867,170.307 277.773,175.336
  rectangle net NetR13_1: 244.957,187.808 251.383,189.255
  rectangle net NetC12_1: 235.33,187.96 243.356,189.357
  rectangle net NetC12_1: 238.784,185.014 243.128,189.128
  rectangle net GND: 235.965,190.703 243.204,191.973
  rectangle net 5.0V: 268.021,190.729 278.129,193.548
  rectangle net GND: 267.842,184.912 277.8,189.611
  rectangle net NetR4_2: 220.198,187.02 221.544,190.144
  rectangle net NetC7_1: 234.746,173.05 243.179,174.727
  rectangle net 24.0V: 226.416,169.697 229.667,186.69
  rectangle net 24.0V: 214.935,169.697 228.244,172.517
  rectangle net T24.0V: 179.629,176.936 195.504,178.079
  rectangle net GND: 234.696,190.703 237.896,193.294
  rectangle net GND: 175.819,181.051 182.474,188.747
  rectangle net GND: 194.056,194.056 201.371,198.196
  rectangle net GND: 186.157,206.223 194.412,213.614
  rectangle net GND: 188.671,148.514 193.827,155.169
  pour cut-out: 340.677,204.674 340.677,190.872 318.503,190.872 318.503,204.608
  pour cut-out: 127.277,484.274 127.277,470.472 105.103,470.472 105.103,484.208
  text "诚以待人" at 292.894,223.012 h3.81 r270
  text "传承创新" at 79.987,222.047 h3.81 r270
  text "集美大学" at 263,218 h7.62
  text "iRobot" at 270,212 h6.35
  text "毅以处事" at 292.97,153.365 h3.81 r270
  text "自强不息" at 79.758,153.289 h3.81 r270
Bottom Layer:
  region: 335.407,141.444 335.407,144.492 333.349,144.492 333.349,141.444
  region: 330.53,143.044 330.53,147.794 328.549,147.794 328.549,143.044
  region: 330.733,142.739 330.733,144.517 323.748,144.517 323.748,142.739
  region: 318.668,144.746 318.668,147.54 315.899,147.54 315.899,144.746
  region: 155.663,288.487 155.663,299.078 150.99,299.078 150.99,288.487
  region: 210.756,323.31 210.756,340.353 202.984,340.353 202.984,323.31
  region: 210.705,298.316 210.705,315.639 202.323,315.639 202.323,298.316
  region: 118.605,297.834 118.605,329.406 112.052,329.406 112.052,297.834
  region: 136.958,284.646 136.958,289.746 126.758,289.746 126.758,284.646
  region: 105.268,424.346 105.268,427.14 102.499,427.14 102.499,424.346
  region: 117.333,422.339 117.333,424.117 110.348,424.117 110.348,422.339
  region: 117.13,422.644 117.13,427.394 115.149,427.394 115.149,422.644
  region: 122.007,421.044 122.007,424.092 119.949,424.092 119.949,421.044
  rectangle net IN_24V: 215.113,189.179 223.749,194.767
  rectangle net 5.0V: 263.068,190.754 268.376,194.234
  rectangle net GND: 175.666,181.127 182.397,188.595
  rectangle net GND: 188.443,206.426 194.361,216.6
  rectangle net GND: 188.62,148.361 193.904,155.27
  pour cut-out: 323.265,204.647 323.265,198.518 318.668,198.518 318.668,204.634
  pour cut-out: 109.865,484.247 109.865,478.118 105.268,478.118 105.268,484.234